# KiCad board keyboard_v2.kicad_pcb
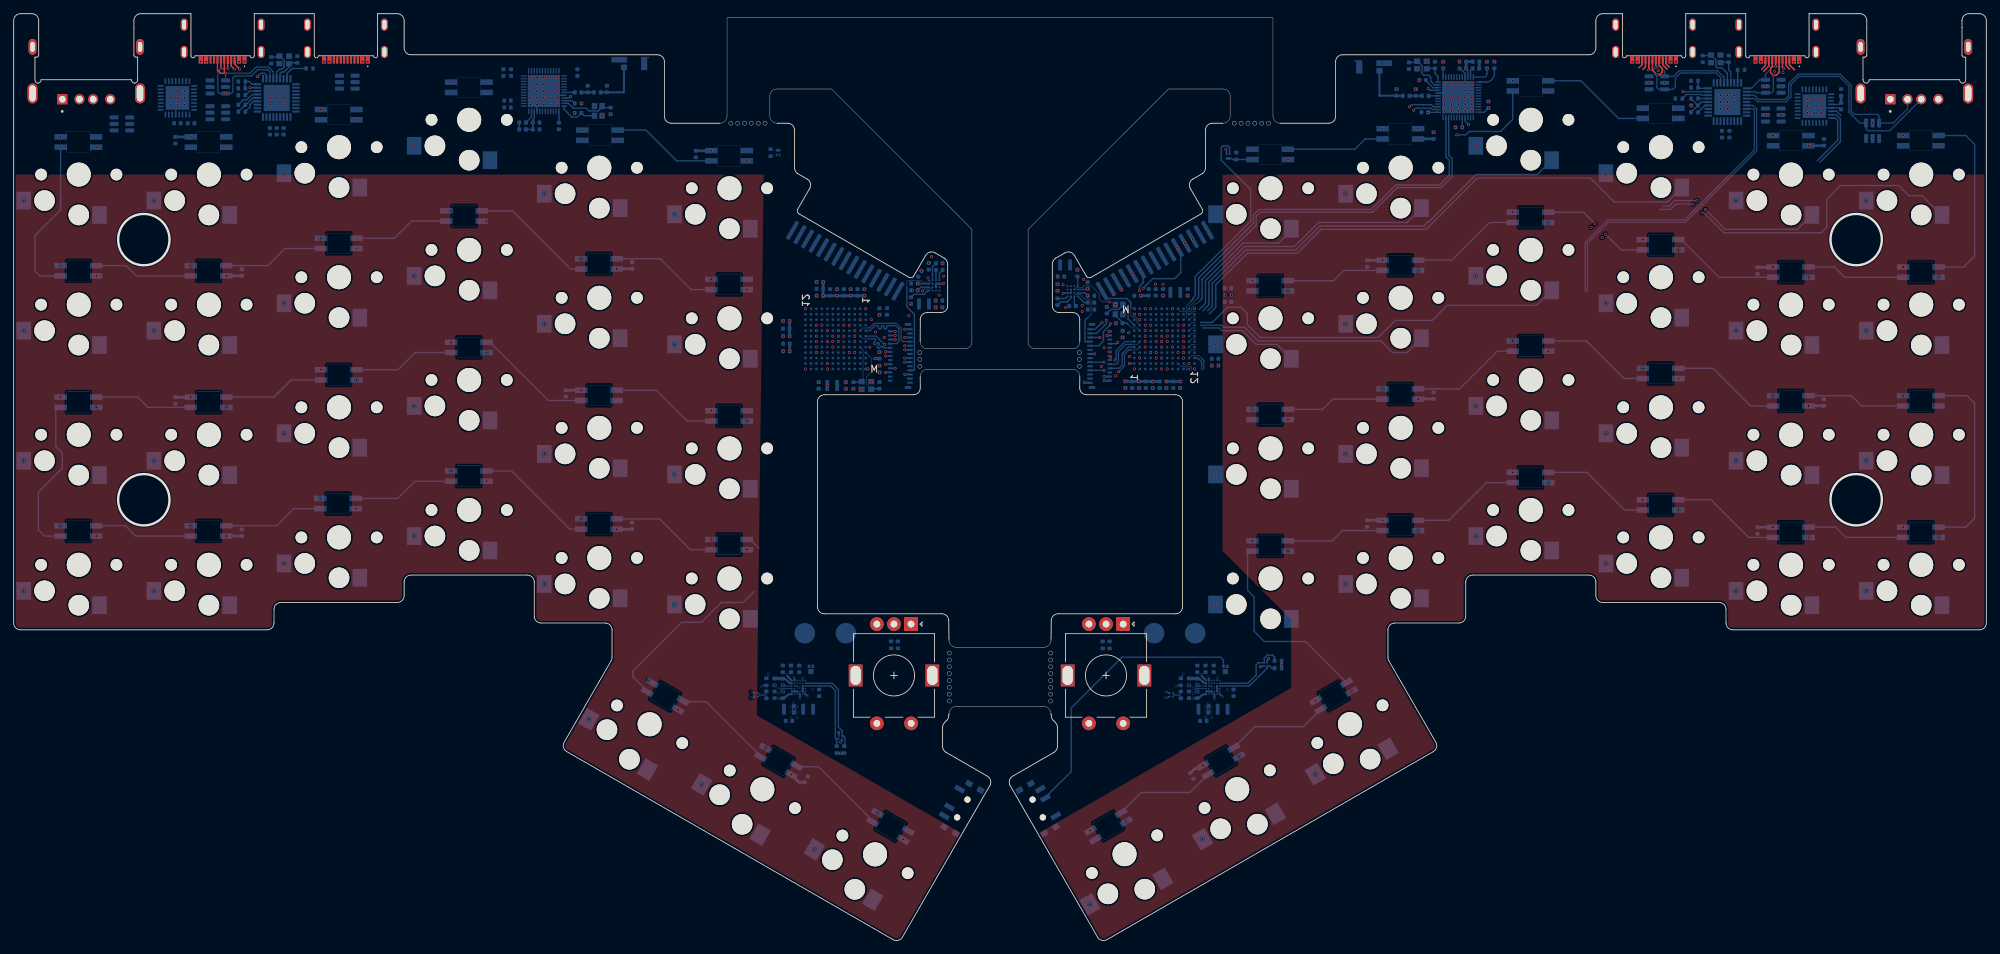
[diagram p0: board, top side]
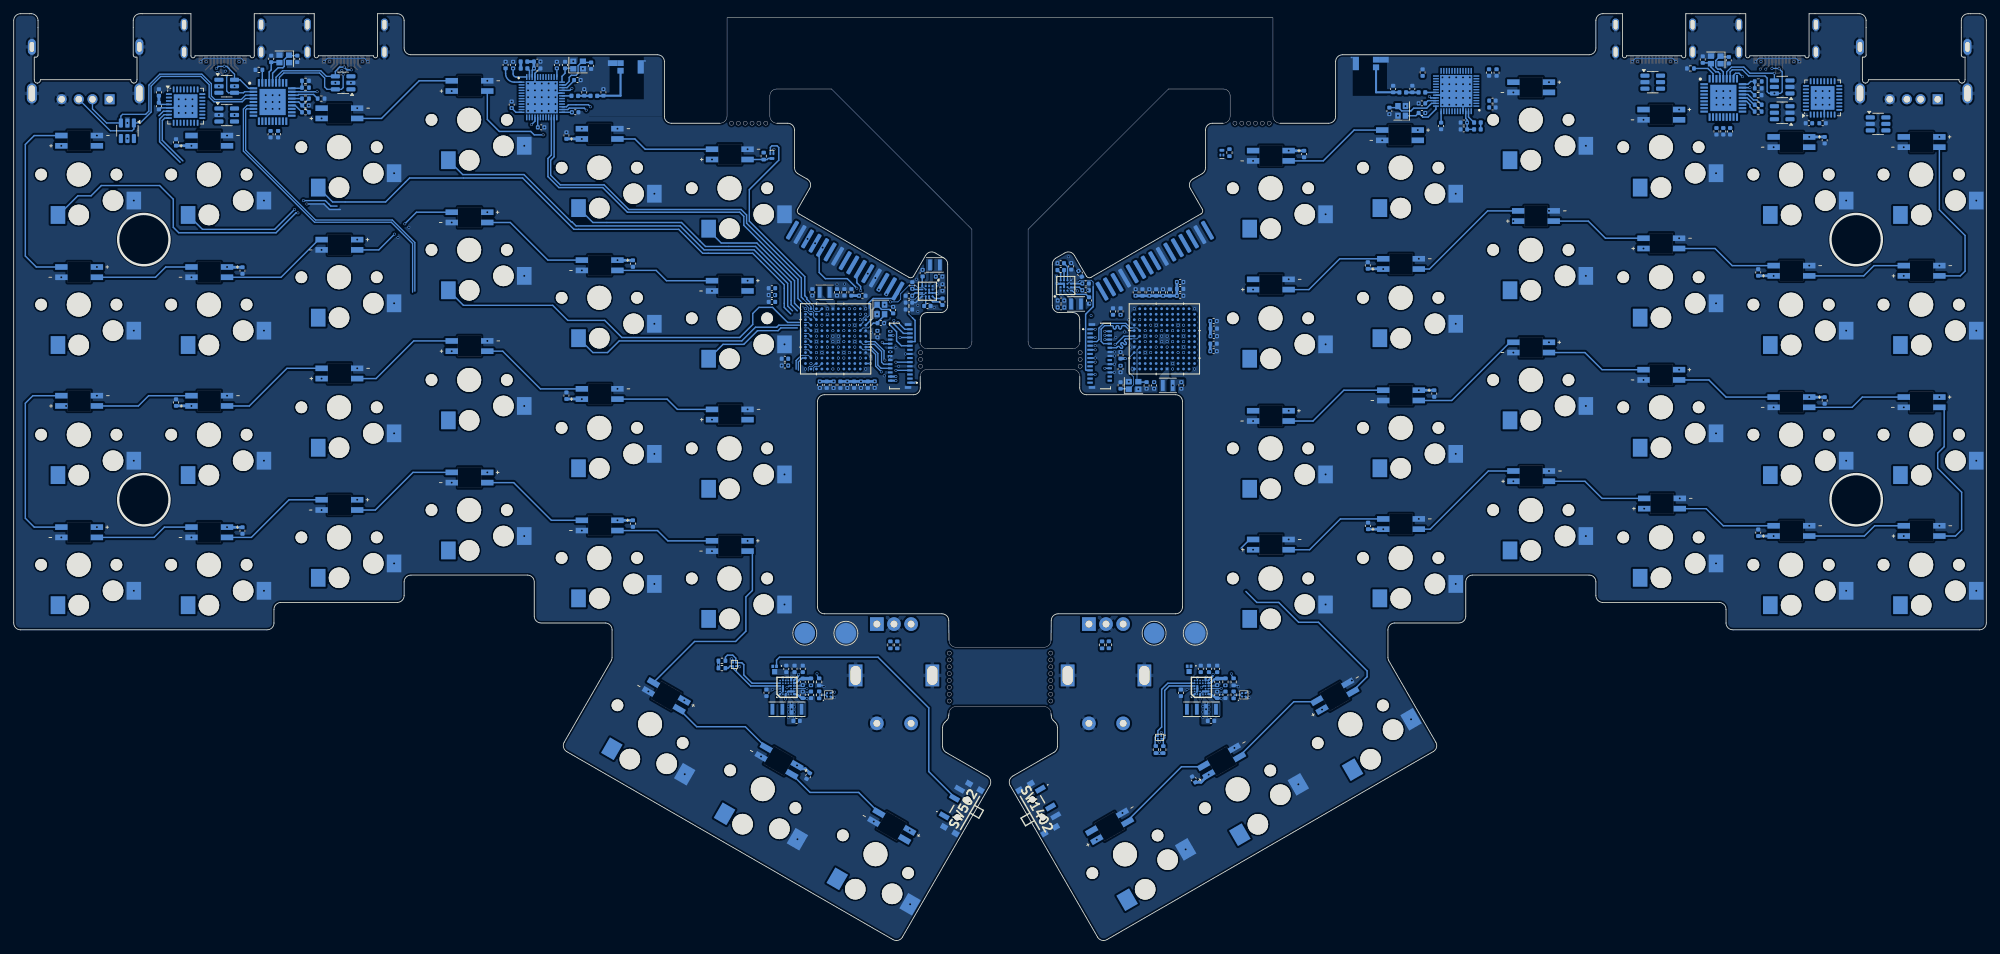
[diagram p1: board, bottom side, seen from below]

Outline 288 x 135.35 mm; copper layers: Top, In1.Cu, In2.Cu, Bottom. Coordinates in mm from the lower left corner of the outline.
Outline path: circle c104.7,119.35 r0.3 ; circle c105.7,119.35 r0.3 ; circle c106.7,119.35 r0.3 ; circle c107.7,119.35 r0.3 ; circle c108.7,119.35 r0.3 ; circle c109.7,119.35 r0.3 ; circle c132.3,85.85 r0.3 ; circle c132.3,84.85 r0.3 ; circle c132.3,83.85 r0.3 ; circle c136.6,41.95 r0.3 ; circle c136.6,40.95 r0.3 ; circle c136.6,39.95 r0.3 ; circle c136.6,38.95 r0.3 ; circle c136.6,37.95 r0.3 ; circle c136.6,36.95 r0.3 ; circle c136.6,35.95 r0.3 ; circle c136.6,34.95 r0.3 ; circle c151.4,41.95 r0.3 ; circle c151.4,40.95 r0.3 ; circle c151.4,39.95 r0.3 ; circle c151.4,38.95 r0.3 ; circle c151.4,37.95 r0.3 ; circle c151.4,36.95 r0.3 ; circle c151.4,35.95 r0.3 ; circle c151.4,34.95 r0.3 ; circle c155.6,85.85 r0.3 ; circle c155.6,84.85 r0.3 ; circle c155.6,83.85 r0.3 ; circle c178.2,119.35 r0.3 ; circle c179.2,119.35 r0.3 ; circle c180.2,119.35 r0.3 ; circle c181.2,119.35 r0.3 ; circle c182.2,119.35 r0.3 ; circle c183.2,119.35 r0.3 ; 2.3,135.35 2.65,135.35 arc(3.36,135.06) 3.65,134.35 3.65,133.35 ; 17.55,133.35 17.55,134.35 arc(17.84,135.06) 18.55,135.35 18.75,135.35 ; 25.88,135.35 25,135.35 ; 35.12,135.35 36,135.35 ; 43,135.35 43.88,135.35 ; 53.12,135.35 54,135.35 ; 103.1,119.35 arc(103.84,119.66) 104.15,120.4 104.15,134.75 183.85,134.75 183.85,120.4 arc(184.16,119.66) 184.9,119.35 ; 111.45,119.35 arc(110.71,119.66) 110.4,120.4 110.4,123.35 arc(110.69,124.06) 111.4,124.35 119.4,124.35 139.9,103.85 139.9,87.4 arc(139.61,86.69) 138.9,86.4 133.4,86.4 arc(132.66,86.71) 132.35,87.45 ; 132.35,82.35 arc(132.66,83.09) 133.4,83.4 154.6,83.4 arc(155.34,83.09) 155.65,82.35 ; 136.55,33.1 arc(136.86,33.84) 137.6,34.15 150.4,34.15 arc(151.14,33.84) 151.45,33.1 ; 136.55,43.85 arc(136.86,43.11) 137.6,42.8 150.4,42.8 arc(151.14,43.11) 151.45,43.85 ; 155.65,87.45 arc(155.34,86.71) 154.6,86.4 149.1,86.4 arc(148.39,86.69) 148.1,87.4 148.1,103.85 168.6,124.35 176.6,124.35 arc(177.31,124.06) 177.6,123.35 177.6,120.4 arc(177.29,119.66) 176.55,119.35 ; 234,135.35 234.88,135.35 ; 244.12,135.35 245,135.35 ; 252,135.35 252.88,135.35 ; 262.12,135.35 263,135.35 ; 269.25,135.35 269.55,135.35 arc(270.26,135.06) 270.55,134.35 270.55,133.35 ; 284.45,133.35 284.45,134.35 arc(284.74,135.06) 285.45,135.35 285.7,135.35
Stack: Top 0.035mm / dielectric 0.1mm FR4 er 4.5 / In1.Cu 0.035mm / dielectric 1.24mm FR4 er 4.5 / In2.Cu 0.035mm / dielectric 0.1mm FR4 er 4.5 / Bottom 0.035mm

## Placement (name value [footprint] x y rotation side)
ANT201  ANT3216A063R2400A  [ANTC3016X65N]  90.6 128.05 0 bottom
ANT301  ANT3216A063R2400A  [ANTC3016X65N]  197.9 127.6 180 bottom
C401  10u  [C_0402_1005Metric]  152.4 95.35 270 bottom
C402  4u7  [C_0402_1005Metric]  152.9 96.95 0 bottom
C403  1u  [C_0402_1005Metric]  152.4 93.27 270 bottom
C404  10u  [C_0402_1005Metric]  155.3 97.45 90 bottom
C405  4u7  [C_0402_1005Metric]  154.6 92.65 180 bottom
C406  4u7  [C_0402_1005Metric]  156.8 95.65 90 bottom
C407  10u  [C_0402_1005Metric]  157.3 94.15 0 bottom
C408  22u  [C_0402_1005Metric]  157.3 92.15 0 bottom
C409  22u  [C_0402_1005Metric]  157.3 93.15 0 bottom
C501  2u2  [C_0402_1005Metric]  172.8 39.65 90 bottom
C502  1u  [C_0402_1005Metric]  172.8 37.75 270 bottom
C503  10u  [C_0402_1005Metric]  175.2 39.65 90 bottom
C504  10u  [C_0402_1005Metric]  174 39.65 90 bottom
C505  10u  [C_0402_1005Metric]  172.8 35.85 270 bottom
C506  10u  [C_0402_1005Metric]  173.7 32.05 180 bottom
C507  10u  [C_0402_1005Metric]  178.1 36.15 270 bottom
C508  10u  [C_0402_1005Metric]  171.6 35.85 270 bottom
C601  100n  [C_0402_1005Metric]  266.8 121.85 270 bottom
C602  4u7  [C_0402_1005Metric]  266.8 123.85 90 bottom
C604  10p  [C_0402_1005Metric]  246.6 128.75 270 bottom
C605  10p  [C_0402_1005Metric]  250.4 128.75 90 bottom
C606  1u  [C_0402_1005Metric]  250.5 117.75 270 bottom
C607  1u  [C_0402_1005Metric]  249.4 117.75 270 bottom
C608  100n  [C_0402_1005Metric]  245.4 121.95 180 bottom
C701  100n  [C_0402_1005Metric]  23.6 116.87 270 bottom
C702  100n  [C_0402_1005Metric]  23.6 78.85 270 bottom
C703  100n  [C_0402_1005Metric]  33.3 59.53 90 bottom
C704  100n  [C_0402_1005Metric]  99.6 114.85 270 bottom
C705  100n  [C_0402_1005Metric]  90.3 98.57 90 bottom
C706  100n  [C_0402_1005Metric]  90.26 60.53 90 bottom
C707  100n  [C_0402_1005Metric]  115.71 23.5 60 bottom
C708  100n  [C_0402_1005Metric]  33.3 97.55 90 bottom
C709  100n  [C_0402_1005Metric]  80.6 79.87 270 bottom
C801  100n  [C_0402_1005Metric]  164.3 81.15 270 bottom
C802  100n  [C_0402_1005Metric]  163.3 81.15 270 bottom
C803  100n  [C_0402_1005Metric]  177.3 95.25 0 bottom
C804  100n  [C_0402_1005Metric]  177.3 93.25 0 bottom
C805  100n  [C_0402_1005Metric]  167.3 81.15 270 bottom
C806  100n  [C_0402_1005Metric]  162.3 81.17 270 bottom
C807  1u  [C_0402_1005Metric]  165.7 94.65 90 bottom
C808  10u  [C_0402_1005Metric]  177.3 94.25 0 bottom
C809  100n  [C_0402_1005Metric]  175.4 83.95 0 bottom
C810  100n  [C_0402_1005Metric]  166.3 81.15 270 bottom
C811  100n  [C_0402_1005Metric]  164.1 94.15 180 bottom
C812  1u  [C_0402_1005Metric]  161.9 88.55 270 bottom
C813  100n  [C_0402_1005Metric]  175.4 84.95 0 bottom
C814  100n  [C_0402_1005Metric]  171.4 94.65 90 bottom
C815  4u7  [C_0402_1005Metric]  168.3 81.15 270 bottom
C816  100n  [C_0402_1005Metric]  169.3 81.15 270 bottom
C817  100n  [C_0402_1005Metric]  170.3 81.15 270 bottom
C819  10u  [C_0402_1005Metric]  165.3 81.15 270 bottom
C821  2u2  [C_0402_1005Metric]  167.8 94.65 90 bottom
C822  2u2  [C_0402_1005Metric]  166.73 94.65 90 bottom
C823  12p  [C_0402_1005Metric]  161.4 90.15 0 bottom
C824  12p  [C_0402_1005Metric]  159.6 92.05 270 bottom
C903  12p  [C_0402_1005Metric]  203.7 127.75 90 bottom
C904  12p  [C_0402_1005Metric]  207.5 127.85 270 bottom
C905  1p  [C_0402_1005Metric]  204.7 123.85 90 bottom
C906  1p2  [C_0402_1005Metric]  201.9 123.85 90 bottom
C907  100n  [C_0402_1005Metric]  208.7 127.85 90 bottom
C908  100n  [C_0402_1005Metric]  206.02 120.95 180 bottom
C909  100n  [C_0402_1005Metric]  211 118.75 180 bottom
C910  100n  [C_0402_1005Metric]  215.08 127.85 90 bottom
C911  100n  [C_0402_1005Metric]  216.19 127.85 90 bottom
C912  1u  [C_0402_1005Metric]  215.3 122.05 90 bottom
C913  100p  [C_0402_1005Metric]  205.7 125.65 180 bottom
C914  47n  [C_0402_1005Metric]  211.56 128.35 180 bottom
C915  1u  [C_0402_1005Metric]  211.56 127.35 180 bottom
C1003  12p  [C_0402_1005Metric]  87.15 121.15 90 bottom
C1004  12p  [C_0402_1005Metric]  82.4 120.85 0 bottom
C1005  1p  [C_0402_1005Metric]  83.8 124.35 90 bottom
C1006  1p2  [C_0402_1005Metric]  86.6 124.35 90 bottom
C1007  100n  [C_0402_1005Metric]  79.6 118.95 270 bottom
C1008  100n  [C_0402_1005Metric]  82.3 126.75 90 bottom
C1009  100n  [C_0402_1005Metric]  72.1 121.65 180 bottom
C1010  100n  [C_0402_1005Metric]  72.6 126.75 270 bottom
C1011  100n  [C_0402_1005Metric]  72.1 122.65 180 bottom
C1012  1u  [C_0402_1005Metric]  71.5 126.75 270 bottom
C1013  100p  [C_0402_1005Metric]  82.4 122.25 0 bottom
C1014  47n  [C_0402_1005Metric]  76.28 119.45 0 bottom
C1015  1u  [C_0402_1005Metric]  76.28 118.45 0 bottom
C1101  10u  [C_0402_1005Metric]  135.1 93.45 0 bottom
C1102  4u7  [C_0402_1005Metric]  135.1 92.45 0 bottom
C1103  1u  [C_0402_1005Metric]  135.14 97.9 180 bottom
C1104  10u  [C_0402_1005Metric]  131 93.45 270 bottom
C1105  4u7  [C_0402_1005Metric]  135.14 98.9 0 bottom
C1106  4u7  [C_0402_1005Metric]  131.5 94.95 180 bottom
C1107  10u  [C_0402_1005Metric]  131.5 95.95 180 bottom
C1108  22u  [C_0402_1005Metric]  132.3 97.35 60 bottom
C1109  22u  [C_0402_1005Metric]  133.6 98.45 90 bottom
C1201  100n  [C_0402_1005Metric]  207.3 117.55 90 bottom
C1202  100n  [C_0402_1005Metric]  207.3 79.55 90 bottom
C1203  100n  [C_0402_1005Metric]  197.6 98.85 270 bottom
C1204  100n  [C_0402_1005Metric]  264.3 116.55 90 bottom
C1205  100n  [C_0402_1005Metric]  264.3 78.55 90 bottom
C1206  100n  [C_0402_1005Metric]  197.6 60.87 270 bottom
C1207  100n  [C_0402_1005Metric]  172.01 24 300 bottom
C1208  100n  [C_0402_1005Metric]  254.6 97.83 270 bottom
C1209  100n  [C_0402_1005Metric]  254.6 59.85 270 bottom
C1301  100n  [C_0402_1005Metric]  120.2 94.63 90 bottom
C1302  100n  [C_0402_1005Metric]  119.2 94.63 90 bottom
C1303  100n  [C_0402_1005Metric]  117.7 96.15 180 bottom
C1304  100n  [C_0402_1005Metric]  117.7 95.15 180 bottom
C1305  100n  [C_0402_1005Metric]  117.7 94.15 180 bottom
C1306  100n  [C_0402_1005Metric]  112.82 86.05 180 bottom
C1307  1u  [C_0402_1005Metric]  127.5 91.85 90 bottom
C1308  10u  [C_0402_1005Metric]  123.2 94.63 90 bottom
C1309  100n  [C_0402_1005Metric]  124.2 94.63 90 bottom
C1310  100n  [C_0402_1005Metric]  121.2 94.63 90 bottom
C1311  100n  [C_0402_1005Metric]  112.82 90.45 180 bottom
C1312  1u  [C_0402_1005Metric]  126.4 85.45 90 bottom
C1313  100n  [C_0402_1005Metric]  112.8 89.35 180 bottom
C1314  100n  [C_0402_1005Metric]  121.5 81.05 270 bottom
C1315  4u7  [C_0402_1005Metric]  112.8 88.25 180 bottom
C1316  100n  [C_0402_1005Metric]  126.4 83.45 270 bottom
C1317  100n  [C_0402_1005Metric]  122.2 94.63 90 bottom
C1319  10u  [C_0402_1005Metric]  112.82 87.15 180 bottom
C1321  2u2  [C_0402_1005Metric]  117.53 81.05 270 bottom
C1322  2u2  [C_0402_1005Metric]  126.4 91.85 90 bottom
C1323  12p  [C_0402_1005Metric]  122.6 81.05 90 bottom
C1324  12p  [C_0402_1005Metric]  126.4 81.05 270 bottom
C1401  2u2  [C_0402_1005Metric]  112.29 39.65 90 bottom
C1402  1u  [C_0402_1005Metric]  112.29 37.75 270 bottom
C1403  10u  [C_0402_1005Metric]  114.69 39.65 90 bottom
C1404  10u  [C_0402_1005Metric]  113.49 39.65 90 bottom
C1405  10u  [C_0402_1005Metric]  111.09 35.85 270 bottom
C1406  10u  [C_0402_1005Metric]  113.19 32.05 180 bottom
C1407  10u  [C_0402_1005Metric]  117.59 36.15 270 bottom
C1408  10u  [C_0402_1005Metric]  112.29 35.85 270 bottom
C1501  100n  [C_0402_1005Metric]  23.9 119.35 180 bottom
C1502  4u7  [C_0402_1005Metric]  25.9 119.35 0 bottom
C1504  10p  [C_0402_1005Metric]  37.6 128.55 270 bottom
C1505  10p  [C_0402_1005Metric]  41.4 128.65 90 bottom
C1506  1u  [C_0402_1005Metric]  38.4 118.17 270 bottom
C1507  1u  [C_0402_1005Metric]  39.4 118.17 270 bottom
C1508  100n  [C_0402_1005Metric]  37.4 118.17 270 bottom
D701  SK6812-E  [LED_SK6812-E]  183.45 114.8 0 bottom
D702  SK6812-E  [LED_SK6812-E]  221.45 105.6 180 bottom
D703  SK6812-E  [LED_SK6812-E]  278.45 59.6 180 bottom
D704  SK6812-E  [LED_SK6812-E]  202.45 117.8 0 bottom
D705  SK6812-E  [LED_SK6812-E]  202.45 98.6 180 bottom
D706  SK6812-E  [LED_SK6812-E]  259.45 59.6 180 bottom
D707  SK6812-E  [LED_SK6812-E]  221.45 124.8 0 bottom
D708  SK6812-E  [LED_SK6812-E]  183.45 95.6 180 bottom
D709  SK6812-E  [LED_SK6812-E]  240.45 63.6 180 bottom
D710  SK6812-E  [LED_SK6812-E]  240.45 120.8 0 bottom
D711  SK6812-E  [LED_SK6812-E]  183.45 76.8 0 bottom
D712  SK6812-E  [LED_SK6812-E]  221.45 67.6 180 bottom
D713  SK6812-E  [LED_SK6812-E]  259.45 116.8 0 bottom
D714  SK6812-E  [LED_SK6812-E]  202.45 79.8 0 bottom
D715  SK6812-E  [LED_SK6812-E]  202.45 60.6 180 bottom
D716  SK6812-E  [LED_SK6812-E]  278.45 116.8 0 bottom
D717  SK6812-E  [LED_SK6812-E]  221.45 86.8 0 bottom
D718  SK6812-E  [LED_SK6812-E]  183.45 57.6 180 bottom
D719  SK6812-E  [LED_SK6812-E]  278.45 97.6 180 bottom
D720  SK6812-E  [LED_SK6812-E]  240.45 82.8 0 bottom
D721  SK6812-E  [LED_SK6812-E]  192.71 35.7 210 bottom
D722  SK6812-E  [LED_SK6812-E]  259.45 97.6 180 bottom
D723  SK6812-E  [LED_SK6812-E]  259.45 78.8 0 bottom
D724  SK6812-E  [LED_SK6812-E]  176.26 26.2 210 bottom
D725  SK6812-E  [LED_SK6812-E]  240.45 101.6 180 bottom
D726  SK6812-E  [LED_SK6812-E]  278.45 78.8 0 bottom
D727  SK6812-E  [LED_SK6812-E]  159.81 16.7 210 bottom
D1201  SK6812-E  [LED_SK6812-E]  104.45 114.6 180 bottom
D1202  SK6812-E  [LED_SK6812-E]  65.75 105.8 0 bottom
D1203  SK6812-E  [LED_SK6812-E]  9.45 59.8 0 bottom
D1204  SK6812-E  [LED_SK6812-E]  85.6 117.6 180 bottom
D1205  SK6812-E  [LED_SK6812-E]  85.45 98.8 0 bottom
D1206  SK6812-E  [LED_SK6812-E]  28.45 59.8 0 bottom
D1207  SK6812-E  [LED_SK6812-E]  66.45 124.6 180 bottom
D1208  SK6812-E  [LED_SK6812-E]  104.45 95.8 0 bottom
D1209  SK6812-E  [LED_SK6812-E]  47.35 63.8 0 bottom
D1210  SK6812-E  [LED_SK6812-E]  47.45 120.6 180 bottom
D1211  SK6812-E  [LED_SK6812-E]  104.45 76.6 180 bottom
D1212  SK6812-E  [LED_SK6812-E]  66.45 67.8 0 bottom
D1213  SK6812-E  [LED_SK6812-E]  28.45 116.6 180 bottom
D1214  SK6812-E  [LED_SK6812-E]  85.45 79.6 180 bottom
D1215  SK6812-E  [LED_SK6812-E]  85.45 60.8 0 bottom
D1216  SK6812-E  [LED_SK6812-E]  9.45 116.6 180 bottom
D1217  SK6812-E  [LED_SK6812-E]  66.45 86.6 180 bottom
D1218  SK6812-E  [LED_SK6812-E]  104.45 57.8 0 bottom
D1219  SK6812-E  [LED_SK6812-E]  9.45 97.8 0 bottom
D1220  SK6812-E  [LED_SK6812-E]  47.45 82.6 180 bottom
D1221  SK6812-E  [LED_SK6812-E]  95.11 35.65 330 bottom
D1222  SK6812-E  [LED_SK6812-E]  28.45 97.8 0 bottom
D1223  SK6812-E  [LED_SK6812-E]  28.45 78.6 180 bottom
D1224  SK6812-E  [LED_SK6812-E]  111.65 26.15 330 bottom
D1225  SK6812-E  [LED_SK6812-E]  47.45 101.8 0 bottom
D1226  SK6812-E  [LED_SK6812-E]  9.45 78.6 180 bottom
D1227  SK6812-E  [LED_SK6812-E]  128 16.65 330 bottom
IC501  ADP5360ACBZ-2-R7  [ADP5360ACBZ1R7]  175.1 36.95 90 bottom
IC1401  ADP5360ACBZ-2-R7  [ADP5360ACBZ1R7]  114.59 36.95 90 bottom
J201  TMS-115-01-G-S  [debug_header]  121.41 99.27 150 bottom
J301  TMS-115-01-G-S  [debug_header]  166.6 99.28 210 bottom
J401  FH26W-27S-0.3SHW_60_  [FH26W27S03SHW60]  158.5 85.35 90 bottom
J601  USB4510-03-1-A  [USB4510031A]  239.5 132.6 180 top
J602  USB4510-03-1-A  [USB4510031A]  257.5 132.6 180 top
J603  GSB12J21C1EU  [AMPHENOL_GSB12J21C1EU]  277.5 123.7 180 top
J1101  FH26W-27S-0.3SHW_60_  [FH26W27S03SHW60]  129.5 85.35 270 bottom
J1501  USB4510-03-1-A  [USB4510031A]  30.5 132.6 180 top
J1502  USB4510-03-1-A  [USB4510031A]  48.5 132.6 180 top
J1503  GSB12J21C1EU  [AMPHENOL_GSB12J21C1EU]  10.6 123.7 180 top
L401  2u2  [L_Murata_DFE201610P]  153.5 98.65 0 bottom
L501  4u7  [L_Murata_DFE201610P]  173.7 33.75 0 bottom
L502  4u7  [L_Murata_DFE201610P]  176.5 33.75 0 bottom
L801  2u2  [L_Murata_DFE201610P]  169.6 94.65 0 bottom
L901  10u  [L_0402_1005Metric]  213.49 127.35 0 bottom
L902  4n7  [L_0402_1005Metric]  206.08 123.35 180 bottom
L905  2n2  [L_0402_1005Metric]  203.3 123.35 180 bottom
L906  15n  [L_0402_1005Metric]  213.5 128.35 180 bottom
L1001  10u  [L_0402_1005Metric]  74.3 119.45 180 bottom
L1002  4n7  [L_0402_1005Metric]  82.4 123.85 0 bottom
L1005  2n2  [L_0402_1005Metric]  85.2 123.85 0 bottom
L1006  15n  [L_0402_1005Metric]  74.3 118.45 0 bottom
L1101  2u2  [L_Murata_DFE201610P]  132.9 92.95 180 bottom
L1301  2u2  [L_Murata_DFE201610P]  119.5 81.05 0 bottom
L1401  4u7  [L_Murata_DFE201610P]  113.19 33.75 0 bottom
L1402  4u7  [L_Murata_DFE201610P]  115.99 33.75 0 bottom
Q501  DMP2104LP-7  [DMP2104LP7]  176.9 39.63 90 bottom
Q701  DMN21D2UFB-7B  [DMN21D2UFB7B]  177.3 114.55 90 bottom
Q1201  DMN21D2UFB-7B  [DMN21D2UFB7B]  111.6 115.05 270 bottom
Q1401  DMP2104LP-7  [DMP2104LP7]  116.39 39.65 90 bottom
R501  10k  [R_0402_1005Metric]  171.6 37.75 270 bottom
R502  100k  [R_0402_1005Metric]  170.4 37.75 270 bottom
R503  50m  [R_0402_1005Metric]  170.4 35.85 90 bottom
R601  10k  [R_0402_1005Metric]  245.4 120.95 0 bottom
R602  10k  [R_0402_1005Metric]  245.4 122.95 0 bottom
R603  47k  [R_0402_1005Metric]  245.4 124.55 180 bottom
R604  100k  [R_0402_1005Metric]  245.4 125.55 0 bottom
R605  12k  [R_0402_1005Metric]  252.2 127.15 0 bottom
R606  10k  [R_0402_1005Metric]  243.11 122.95 180 bottom
R701  4k7  [R_0402_1005Metric]  178.5 114.55 270 bottom
R708  100k  [R_0402_1005Metric]  159 43.15 90 bottom
R709  100k  [R_0402_1005Metric]  160 43.15 90 bottom
R801  10k  [R_0402_1005Metric]  184.6 40.83 180 bottom
R802  10k  [R_0402_1005Metric]  184.6 39.75 180 bottom
R1201  4k7  [R_0402_1005Metric]  110.5 115.05 90 bottom
R1204  100k  [R_0402_1005Metric]  129.1 43.15 90 bottom
R1208  100k  [R_0402_1005Metric]  128.1 43.16 90 bottom
R1301  10k  [R_0402_1005Metric]  121.25 27.86 90 bottom
R1302  10k  [R_0402_1005Metric]  120.16 27.85 90 bottom
R1401  10k  [R_0402_1005Metric]  111.09 37.75 270 bottom
R1402  100k  [R_0402_1005Metric]  109.89 37.75 270 bottom
R1403  50m  [R_0402_1005Metric]  109.89 35.85 90 bottom
R1501  10k  [R_0402_1005Metric]  33.31 121.05 0 bottom
R1502  10k  [R_0402_1005Metric]  33.3 122.05 180 bottom
R1503  47k  [R_0402_1005Metric]  33.3 125.45 180 bottom
R1504  100k  [R_0402_1005Metric]  33.3 124.45 0 bottom
R1505  12k  [R_0402_1005Metric]  43.2 127.35 0 bottom
R1506  10k  [R_0402_1005Metric]  33.31 123.45 180 bottom
REF**  -  [Keyboard v2]  221.5 81.85 0 top  (not fitted)
REF**#2  -  [Keyboard v2]  66.5 81.85 180 bottom  (not fitted)
SW502  -  [PCM12SMTBR]  149.5 19.25 120 bottom
SW701  RIC11-31S15.5D7-TH  [RotaryEncoder_Alps_EC11E-Switch_Vertical_H20mm]  161.98 46.19 270 top
SW702  SW_DIP_x01  [choc-v1-hotswap]  195.09 31.58 30 top
SW703  SW_DIP_x01  [choc-v1-hotswap]  183.5 109.85 0 top
SW704  SW_DIP_x01  [choc-v1-hotswap]  183.5 90.85 0 top
SW705  SW_DIP_x01  [choc-v1-hotswap]  183.5 71.85 0 top
SW706  SW_DIP_x01  [choc-v1-hotswap]  183.5 52.85 0 top
SW707  SW_DIP_x01  [choc-v1-hotswap]  178.64 22.08 30 top
SW708  SW_DIP_x01  [choc-v1-hotswap]  202.5 112.85 0 top
SW709  SW_DIP_x01  [choc-v1-hotswap]  202.5 93.85 0 top
SW710  SW_DIP_x01  [choc-v1-hotswap]  202.5 74.85 0 top
SW711  SW_DIP_x01  [choc-v1-hotswap]  202.5 55.85 0 top
SW712  SW_DIP_x01  [choc-v1-hotswap]  162.18 12.58 30 top
SW713  SW_DIP_x01  [choc-v1-hotswap]  221.5 119.85 0 top
SW714  SW_DIP_x01  [choc-v1-hotswap]  221.5 100.85 0 top
SW715  SW_DIP_x01  [choc-v1-hotswap]  221.5 81.85 0 top
SW716  SW_DIP_x01  [choc-v1-hotswap]  221.5 62.85 0 top
SW717  SW_DIP_x01  [choc-v1-hotswap]  240.5 115.85 0 top
SW718  SW_DIP_x01  [choc-v1-hotswap]  240.5 96.85 0 top
SW719  SW_DIP_x01  [choc-v1-hotswap]  240.5 77.85 0 top
SW720  SW_DIP_x01  [choc-v1-hotswap]  240.5 58.85 0 top
SW721  SW_DIP_x01  [choc-v1-hotswap]  259.5 111.85 0 top
SW722  SW_DIP_x01  [choc-v1-hotswap]  259.5 92.85 0 top
SW723  SW_DIP_x01  [choc-v1-hotswap]  259.5 73.85 0 top
SW724  SW_DIP_x01  [choc-v1-hotswap]  259.5 54.85 0 top
SW725  SW_DIP_x01  [choc-v1-hotswap]  278.5 111.85 0 top
SW726  SW_DIP_x01  [choc-v1-hotswap]  278.5 92.85 0 top
SW727  SW_DIP_x01  [choc-v1-hotswap]  278.5 73.85 0 top
SW728  SW_DIP_x01  [choc-v1-hotswap]  278.5 54.85 0 top
SW1201  SW_DIP_x01  [choc-v1-hotswap]  9.5 111.85 0 top
SW1202  SW_DIP_x01  [choc-v1-hotswap]  9.5 92.85 0 top
SW1203  SW_DIP_x01  [choc-v1-hotswap]  9.5 73.85 0 top
SW1204  SW_DIP_x01  [choc-v1-hotswap]  9.5 54.85 0 top
SW1205  SW_DIP_x01  [choc-v1-hotswap]  28.5 111.85 0 top
SW1206  SW_DIP_x01  [choc-v1-hotswap]  28.5 92.85 0 top
SW1207  SW_DIP_x01  [choc-v1-hotswap]  28.5 73.85 0 top
SW1208  SW_DIP_x01  [choc-v1-hotswap]  28.5 54.85 0 top
SW1209  SW_DIP_x01  [choc-v1-hotswap]  47.5 115.85 0 top
SW1210  SW_DIP_x01  [choc-v1-hotswap]  47.5 96.85 0 top
SW1211  SW_DIP_x01  [choc-v1-hotswap]  47.5 77.85 0 top
SW1212  SW_DIP_x01  [choc-v1-hotswap]  47.5 58.85 0 top
SW1213  SW_DIP_x01  [choc-v1-hotswap]  66.5 119.85 0 top
SW1214  SW_DIP_x01  [choc-v1-hotswap]  66.5 100.85 0 top
SW1215  SW_DIP_x01  [choc-v1-hotswap]  66.5 81.85 0 top
SW1216  SW_DIP_x01  [choc-v1-hotswap]  66.5 62.85 0 top
SW1217  SW_DIP_x01  [choc-v1-hotswap]  85.5 112.85 0 top
SW1218  SW_DIP_x01  [choc-v1-hotswap]  85.5 93.85 0 top
SW1219  SW_DIP_x01  [choc-v1-hotswap]  85.5 74.85 0 top
SW1220  SW_DIP_x01  [choc-v1-hotswap]  85.5 55.85 0 top
SW1221  SW_DIP_x01  [choc-v1-hotswap]  92.85 31.56 330 top
SW1222  SW_DIP_x01  [choc-v1-hotswap]  104.5 109.85 0 top
SW1223  SW_DIP_x01  [choc-v1-hotswap]  104.5 90.85 0 top
SW1224  SW_DIP_x01  [choc-v1-hotswap]  104.5 71.85 0 top
SW1225  SW_DIP_x01  [choc-v1-hotswap]  104.5 52.85 0 top
SW1226  SW_DIP_x01  [choc-v1-hotswap]  109.3 22.06 330 top
SW1227  RIC11-31S15.5D7-TH  [RotaryEncoder_Alps_EC11E-Switch_Vertical_H20mm]  131.02 46.19 270 top
SW1228  SW_DIP_x01  [choc-v1-hotswap]  125.76 12.56 330 top
SW1402  -  [PCM12SMTBR]  138.5 19.25 240 bottom
TP501  3mm  [TestPoint_Pad_D3.0mm]  172.5 44.85 270 bottom
TP502  3mm  [TestPoint_Pad_D3.0mm]  166.5 44.85 270 bottom
TP1401  3mm  [TestPoint_Pad_D3.0mm]  121.5 44.85 90 bottom
TP1402  3mm  [TestPoint_Pad_D3.0mm]  115.5 44.85 90 bottom
U401  -  [RT4730WSC]  154.6 94.81 270 bottom
U501  MAX9938TEBS+TG45  [BGA4C50P2X2_100X100X67]  169 35.85 90 bottom
U601  USBLC6-4SC6  [SOT-23-6]  239.9 125.25 0 bottom
U602  USBLC6-4SC6  [SOT-23-6]  256.9 124.75 180 bottom
U603  USBLC6-4SC6  [SOT-23-6]  271.4 118.25 270 bottom
U604  STM32G0B1KBUx  [QFN-32-1EP_5x5mm_P0.5mm_EP3.45x3.45mm]  262.9 121.85 180 bottom
U605  USB2533-1080AEN  [QFN50P600X600X100-37N-D]  250.2 122.45 180 bottom
U606  USBLC6-4SC6  [SOT-23-6]  256.9 120.55 180 bottom
U801  STM32U5G9ZJJ6Q  [UFBGA144_STM]  168 87.85 0 bottom
U802  M24256X-FCU6T_VF  [BGA4C50P2X2_70X98X33]  182.78 40.3 0 bottom
U901  nRF52840-QFAA-F-R7  [QFN40P600X600X95-49N-D]  210.9 123.15 180 bottom
U1001  nRF52840-QFAA-F-R7  [QFN40P600X600X95-49N-D]  77.4 124.05 0 bottom
U1101  -  [RT4730WSC]  134.4 95.65 90 bottom
U1301  STM32U5G9ZJJ6Q  [UFBGA144_STM]  120 87.85 180 bottom
U1302  M24256X-FCU6T_VF  [BGA4C50P2X2_70X98X33]  120.7 29.65 270 bottom